# Altium PCB Gebru.PcbDoc (part 3 of 3)
Units mil, origin at the board's own origin, x right, y up, seen from the top; angles counter-clockwise.
Board outline 4231.75 x 4231.75 mil, 6 copper layers (Top Layer, GND, SL1, SL2, PWR, Bottom Layer), stack 58 mil thick; 203 components, 133 nets, 588 pads, 760 vias.
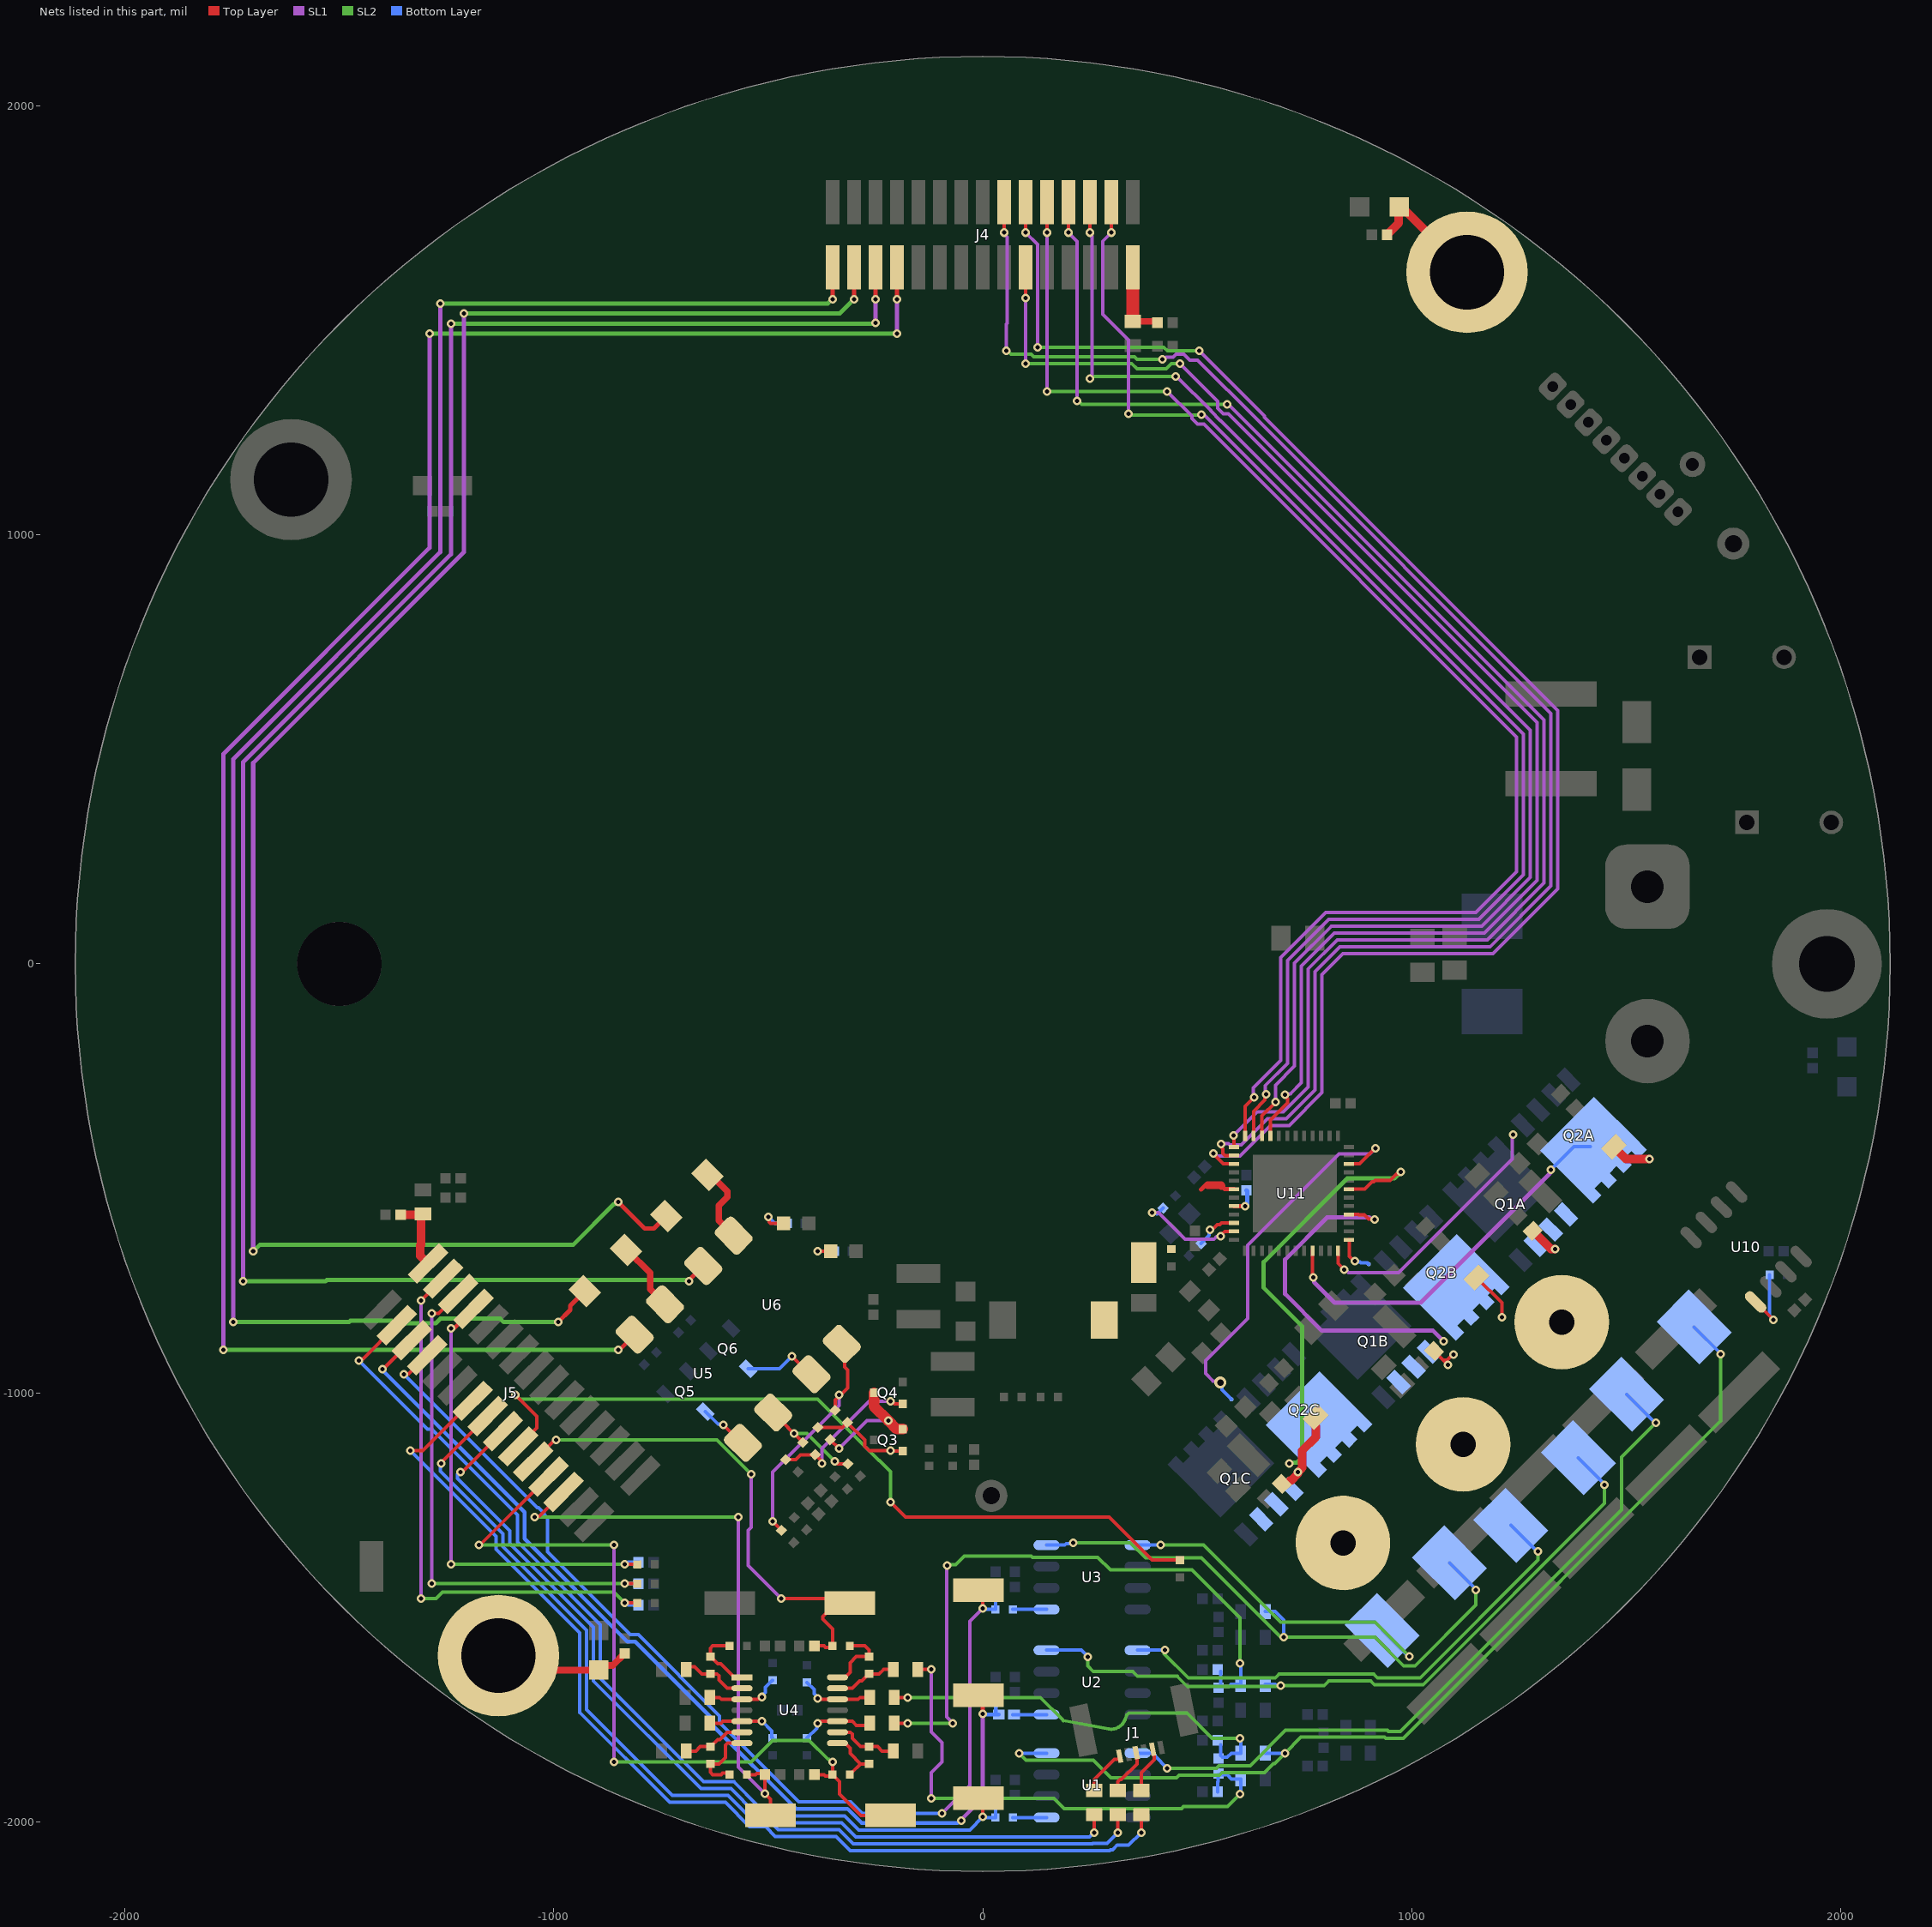
[diagram p7: the nets of this part, all layers, seen from the top]

## Via types
v1: diameter 20, hole 10, Top Layer to Bottom Layer, 617 vias
v2: diameter 20, hole 10, Top Layer to Bottom Layer, tented both sides, 73 vias
v3: diameter 28, hole 15, Top Layer to Bottom Layer, 70 vias

## Nets (pads, with @x,y where several pads share a name; then routed paths per layer and width w, separated by ;. In a path a pad name is that pad's centre, name@x,y a point inside that pad or via, vN(x,y) a via of type N, cw(c..) or ccw(c..) an arc to the next point about the centre after c; other vN are vias at no path point) (continued)
NetC54_1: C54.1 C56.2 R44.2 R45.1 | length 1497.5
  Top Layer w8: R45.1@-206.46,-1770 v1(-175,-1770)
  SL1 w8: v1(-82.5,-1402.44) -84,-1403.94 -84,-1755.72 -70,-1769.72 v1(-70,-1770)
  SL2 w8: v1(-175,-1770) v1(-70,-1770) ; v1(-82.5,-1402.44) -80.2,-1400.14 -62.7,-1400.14 -43,-1380.44 112.84,-1380.44 115.56,-1383.16 268.16,-1383.16 298,-1413 488,-1413 600,-1525 v1(600,-1631)
  Bottom Layer w8: C54.1@553.59,-1685 573.66,-1685 578.66,-1680 R44.2@601.46,-1680 601.46,-1632.46 v1(600,-1631) ; C54.1@555,-1680.04 C56.2@555,-1650
NetC57_1: C57.1 C58.2 R48.2 R49.1 | length 1229.5
  Top Layer w8: R49.1@-151.46,-1645 v1(-120,-1645)
  SL1 w8: v1(-120,-1945) -120,-1885 -95,-1860 -95,-1815 -120,-1790 v1(-120,-1645)
  SL2 w8: v1(-120,-1945) 166.08,-1945 190.08,-1969 463.5,-1969 468.21,-1964.3 570.7,-1964.3 v1(600,-1935)
  Bottom Layer w8: C57.1@547.72,-1930 547.72,-1907.8 548.59,-1906.92 548.59,-1890 570.31,-1890 575,-1894.69 575,-1895.31 579.69,-1900 R48.2@601.46,-1900 601.46,-1933.54 v1(600,-1935)
NetC58_1: C58.1 C60.2 R51.2 R52.1 | length 982.3
  Top Layer w8: R52.1@-206.46,-1710 v1(-175,-1710)
  SL2 w8: v1(-175,-1710) 134.12,-1710 185.78,-1761.66 188.12,-1764 293.85,-1783.44 ccw(c300,-1750) 331.54,-1762.7 336.38,-1750.69 341.06,-1746 476,-1746 535,-1805 v1(600,-1805)
  Bottom Layer w8: C58.1@555,-1845.79 C60.2@555,-1820 ; C58.1@558.59,-1849.84 570.16,-1849.84 580,-1840 R51.2@601.46,-1840 601.46,-1806.46 v1(600,-1805)
NetC61_1: C61.1 MTH5.1 R71.2 | length 324
  Top Layer w15.9: MTH5.1@-1129.13,-1612.6 -1095.47,-1646.26 R71.2@-895,-1646.26 -883.82,-1635.08 -862.36,-1635.08 C61.1@-835,-1607.72
NetC65_1: C65.1 FB5.1 J4.2 | length 184.1
  Top Layer w15: FB5.1@350,1498.15 404.13,1498.15 C65.1@407.28,1495
  Top Layer w30: FB5.1@350,1498.15 J4.2@350,1623.62
NetC67_1: C67.1 FB6.1 J5.2 | length 174.3
  Top Layer w20: C67.1@-1357.28,-585 -1313.15,-585 FB6.1@-1310,-588.15 ; FB6.1@-1305,-583.15 FB6.1@-1310,-588.15 ; J5.2@-1293.48,-698.51 -1311.69,-680.3 -1311.69,-656.69 -1310,-655 FB6.1@-1310,-588.15
NetC73_1: C73.1 MTH7.1 R72.2 | length 297.8
  Top Layer w20: C73.1@942.72,1700 970,1727.28 970,1763.74 R72.2@971.26,1765 976.73,1765 1120.87,1620.87 MTH7.1@1129.13,1612.6
NetD2_2: D2.2 R2.1 | length 98.1
  Top Layer w8: v1(-500,-590) -497.7,-592.3 -497.7,-602.3 -495,-605 D2.2@-464.53,-605
  Bottom Layer w8: v1(-500,-590) -485,-605 R2.1@-455.67,-605
NetD3_2: D3.2 R21.1 | length 69.8
  Top Layer w8: v1(-385,-670) D3.2@-354.53,-670
  Bottom Layer w8: v1(-385,-670) R21.1@-345.67,-670
NetFB2_1: FB2.1 J1.2 | length 109.4
  Top Layer w8: FB2.1@370,-1926.85 370,-1885 400,-1855 400,-1845 396.83,-1841.83 396.49,-1840.17 J1.2@396.49,-1831.25
NetFB2_2: FB2.2 J5.13 | length 2470.3
  Top Layer w8: v1(-1335,-1135) -1305.71,-1135 J5.13@-1189.36,-1018.65 ; v1(370,-2025) FB2.2@370,-1983.15
  Bottom Layer w8: v1(-1335,-1135) -1335,-1135.31 -1330.31,-1140 -1330,-1140 -1135,-1335 -1135,-1365 -940,-1560 -940,-1745 -730.19,-1954.81 -600.19,-1954.81 -543.74,-2011.26 -506.26,-2011.26 -483.5,-2034.02 -341.83,-2034.02 -308.85,-2067 295.63,-2067 297.63,-2065 303.22,-2065 313.41,-2054.81 340.19,-2054.81 v1(370,-2025)
NetFB3_1: FB3.1 J1.4 | length 109
  Top Layer w8: FB3.1@315,-1926.85 315,-1906.38 319.69,-1901.69 323.31,-1901.69 359.55,-1865.45 359.55,-1840.73 J1.4@357.91,-1839.1
NetFB3_2: FB3.2 J5.15 | length 2292.7
  Top Layer w8: v1(-1263,-1165) -1263,-1163 J5.15@-1154.01,-1054.01 ; v1(315,-2025) FB3.2@315,-1983.15
  Bottom Layer w8: v1(-1263,-1165) -1265,-1167 -1265,-1182.37 -1119,-1328.37 -1119,-1358.37 -924,-1553.37 -924,-1738.37 -723.56,-1938.81 -593.56,-1938.81 -537.11,-1995.26 -499.64,-1995.26 -476.87,-2018.02 -335.2,-2018.02 -302.23,-2051 255.94,-2051 256.94,-2050 290,-2050 v1(315,-2025)
NetFB4_1: FB4.1 J1.6 | length 108.9
  Top Layer w8: FB4.1@260,-1926.85 260,-1901.69 306.93,-1854.77 314.4,-1854.77 319.33,-1849.84 J1.6@319.33,-1846.94
NetFB4_2: FB4.2 J5.17 | length 2125.9
  Top Layer w8: v1(-1218,-1185) -1214.75,-1185 -1209.05,-1179.3 -1208.59,-1179.3 J5.17@-1118.65,-1089.36 ; v1(260,-2025) FB4.2@260,-1983.15
  Bottom Layer w8: v1(-1218,-1185) -1220.31,-1185 -1225,-1189.69 -1225,-1199.75 -1103,-1321.75 -1103,-1351.75 -908,-1546.75 -908,-1672 -657.19,-1922.81 -586.94,-1922.81 -530.48,-1979.26 -493.01,-1979.26 -470.25,-2002.02 -328.57,-2002.02 -295.6,-2035 249.31,-2035 259.31,-2025 v1(260,-2025)
NetJ5_19: J5.19 R23.1 | length 1909.4
  Top Layer w8: v1(-1090,-1005) -1040,-1055 -1040,-1081.42 J5.19@-1083.3,-1124.72 ; v1(-215,-1255) -180,-1290 295,-1290 394.82,-1389.82 R23.1@460,-1389.82
  SL2 w8: v1(-1090,-1005) -1089.31,-1005 -1079.31,-1015 -385,-1015 -242,-1158 -240.89,-1158 -215,-1183.89 v1(-215,-1255)
NetQ3_G: Q3.G R58.1 R60.2 | length 238.8
  Top Layer w8: R58.1@-384.27,-1080.73 -383.92,-1080.38 -326.85,-1080.38 R60.2@-315.73,-1069.27 -275.31,-1109.69 -275.31,-1124.81 -265.12,-1135 v1(-215,-1135) -214.41,-1135.59 Q3.G@-186.54,-1135.59
NetQ3_S: Q3.S Q4.D R58.2 | length 291.6
  Top Layer w8: R58.2@-355.73,-1109.27 v1(-335,-1130)
  Top Layer w25: Q4.D@-253.46,-1000 -253.46,-1031.54 v1(-220,-1065) -200.59,-1084.41 Q3.S@-186.54,-1084.41
  SL1 w8: v1(-335,-1130) -270,-1065 v1(-220,-1065)
NetQ4_G: Q4.G R57.1 R62.2 | length 371.9
  Top Layer w8: R57.1@-459.27,-1155.73 -458.92,-1155.38 -435.7,-1155.38 -424.93,-1144.62 -391.08,-1144.62 R62.2@-390.73,-1144.27 -377.05,-1157.95 -377.05,-1162.95 v1(-375,-1165) ; v1(-215,-1020) -211.97,-1020 -206.38,-1025.59 Q4.G@-186.54,-1025.59
  SL1 w8: v1(-375,-1165) -375,-1130 -265,-1020 v1(-215,-1020)
NetQ5_3: Q5.3 U5.3 | length 127.5
  Top Layer w8: v1(-605,-1075) -563.53,-1116.47 U5.3@-559.25,-1116.47 U5.3@-552.29,-1123.43
  Bottom Layer w8: Q5.3@-646.59,-1043.41 -617.3,-1072.7 -607.3,-1072.7 v1(-605,-1075)
NetQ6_3: Q6.3 U6.3 | length 186.1
  Top Layer w8: v1(-445,-915) -403.53,-956.47 U6.3@-399.25,-956.47 U6.3@-406.21,-949.51
  Bottom Layer w8: Q6.3@-546.59,-943.41 -473.41,-943.41 v1(-445,-915)
NetR1_1: R1.1 U5.1 | length 161.6
  Top Layer w15: R1.1@-828.19,-668.19 -775.66,-720.71 -775.66,-758.62 U5.1@-740.75,-793.53
NetR4_2: R4.2 U6.1 | length 192.7
  Top Layer w15: R4.2@-643.19,-483.19 -595.7,-530.67 -595.7,-543.1 -615.66,-563.07 -615.66,-598.62 U6.1@-580.75,-633.53
NetR5_1: R5.1 U2.5 | length 78.5
  Bottom Layer w8: R5.1@70.18,-1750 U2.5@148.7,-1750
NetR9_1: R9.1 U1.5 | length 78.5
  Bottom Layer w8: R9.1@70.18,-1990 U1.5@148.7,-1990
NetR11_1: R11.1 U10.5 | length 167.9
  Top Layer w8: U10.5@1802.13,-788.2 v1(1843.93,-830)
  Bottom Layer w8: R11.1@1834.82,-725 1834.82,-819.31 1843.93,-828.43 v1(1843.93,-830)
NetR25_1: R25.1 U3.5 | length 78.5
  Bottom Layer w8: R25.1@70.18,-1505 U3.5@148.7,-1505
NetR26_1: R26.1 R29.1 U4.7 | length 179.6
  Top Layer w8: R29.1@-590.18,-1890 -593.36,-1886.82 -606.84,-1886.82 -610.02,-1890 -629.53,-1890 -635,-1884.53 R26.1@-635,-1865.18 -615.18,-1865.18 -600,-1850 -600,-1821.46 -595.31,-1816.77 U4.7@-561.22,-1816.77
NetR26_2: R26.2 R28.2 U4.6 | length 148.4
  Top Layer w8: R28.2@-691.46,-1835 -668.66,-1835 -658.48,-1824.82 R26.2@-635,-1824.82 -634.51,-1824.82 -618.09,-1808.4 -613.05,-1808.4 -595.83,-1791.18 U4.6@-561.22,-1791.18
NetR31_2: R31.2 R32.2 U4.5 | length 173.7
  Top Layer w8: R31.2@-636.46,-1770 -610,-1770 -605.59,-1765.59 U4.5@-561.22,-1765.59 -515.59,-1765.59 v1(-515,-1765)
  Bottom Layer w8: v1(-515,-1765) -491.84,-1788.16 -491.84,-1802.98 R32.2@-490,-1804.82
NetR33_1: R33.1 R36.1 U4.1 | length 160.3
  Top Layer w8: R36.1@-590.18,-1590 -629.53,-1590 -635,-1595.47 R33.1@-635,-1614.82 -634.51,-1614.82 -618.09,-1631.24 -610.92,-1631.24 -578.94,-1663.23 U4.1@-561.22,-1663.23
NetR33_2: R33.2 R35.2 U4.2 | length 159.3
  Top Layer w8: R35.2@-691.46,-1645 -685.13,-1638.67 -671.35,-1638.67 -654.84,-1655.18 R33.2@-635,-1655.18 -619.84,-1655.18 -615.16,-1659.86 -615.16,-1669.49 -595.83,-1688.82 U4.2@-561.22,-1688.82
NetR38_1: R38.1 R43.1 U4.8 | length 136.5
  Top Layer w8: U4.8@-338.78,-1816.77 -321.06,-1816.77 -309.12,-1828.71 -309.12,-1840.9 -284.84,-1865.18 ; R43.1@-309.82,-1890 -309.82,-1889.51 -293.4,-1873.09 -292.75,-1873.09 -284.84,-1865.18 ; R38.1@-265,-1865.18 -284.84,-1865.18
NetR38_2: R38.2 R42.2 U4.9 | length 154
  Top Layer w8: U4.9@-338.78,-1791.18 -308.86,-1791.18 -304.17,-1795.87 -304.17,-1805.49 -284.84,-1824.82 R38.2@-265,-1824.82 -245.16,-1824.82 -234.98,-1835 R42.2@-208.54,-1835
NetR39_2: R39.2 R40.2 U4.3 | length 175
  Top Layer w8: R39.2@-636.46,-1710 -613.66,-1710 -609.25,-1714.41 U4.3@-561.22,-1714.41 -523.66,-1714.41 -518.25,-1709 v1(-515,-1709)
  Bottom Layer w8: v1(-515,-1709) -515,-1706.4 -506.91,-1698.31 -506.91,-1686.6 -490.49,-1670.18 R40.2@-490,-1670.18
NetR45_2: R45.2 R46.2 U4.10 | length 174.7
  Top Layer w8: v1(-385,-1770) -381.75,-1770 -377.34,-1765.59 U4.10@-338.78,-1765.59 -304.17,-1765.59 -294.76,-1775 -268.54,-1775 R45.2@-263.54,-1770
  Bottom Layer w8: R46.2@-410,-1804.82 -409.51,-1804.82 -387.3,-1782.61 -387.3,-1772.3 v1(-385,-1770)
NetR47_1: R47.1 R50.1 U4.14 | length 170.6
  Top Layer w8: U4.14@-338.78,-1663.23 -321.06,-1663.23 -309.12,-1651.29 -309.12,-1629.12 -294.82,-1614.82 R47.1@-265,-1614.82 -265,-1600 -275,-1590 R50.1@-309.82,-1590
NetR47_2: R47.2 R49.2 U4.13 | length 148.4
  Top Layer w8: U4.13@-338.78,-1688.82 -304.17,-1688.82 -286.95,-1671.6 -281.91,-1671.6 -265.49,-1655.18 R47.2@-265,-1655.18 -241.52,-1655.18 -231.34,-1645 R49.2@-208.54,-1645
NetR52_2: R52.2 R53.2 U4.12 | length 171.7
  Top Layer w8: v1(-385,-1712) -381.75,-1712 -379.34,-1714.41 U4.12@-338.78,-1714.41 -290.75,-1714.41 -286.34,-1710 R52.2@-263.54,-1710
  Bottom Layer w8: R53.2@-410,-1675.18 -409.51,-1675.18 -393.09,-1691.6 -393.09,-1701.31 -385,-1709.4 v1(-385,-1712)
NetR60_1: R60.1 R63.2 U6.4 | length 561.2
  Top Layer w8: v1(-490,-1300) R63.2@-469.27,-1320.73 ; R60.1@-344.27,-1040.73 -343.92,-1040.38 -343.92,-1017.16 -315,-988.24 -315,-946.77 -321.57,-940.19 -321.57,-892.71 U6.4@-328.53,-885.75
  SL1 w8: v1(-490,-1300) -490,-1185 -335,-1030 v1(-335,-1005)
NetR62_1: R62.1 R64.2 U5.4 | length 254
  Top Layer w8: U5.4@-488.53,-1045.75 -453.62,-1080.66 -453.62,-1081.38 v1(-440,-1095) R62.1@-419.27,-1115.73 ; v1(-345,-1160) -343.92,-1160 -337.84,-1166.08 -314.62,-1166.08 R64.2@-314.27,-1165.73
  SL2 w8: v1(-440,-1095) -410,-1095 v1(-345,-1160)
PHASE_I_ADC_A: C41.1 J5.3 R9.2 TP3.1 | length 2284.3
  Top Layer w8: v1(-1455,-925) -1451.75,-925 -1447.06,-920.31 -1444.58,-920.31 J5.3@-1366.14,-841.88 ; TP3.1@-10,-1945 0,-1955 v1(0,-1988.69)
  Bottom Layer w8: v1(-1455,-925) -1295,-1085 -1285,-1085 -1085,-1285 -1085,-1347.12 -892,-1540.12 -892,-1665.37 -650.56,-1906.81 -580.31,-1906.81 -523.86,-1963.26 -486.38,-1963.26 -463.62,-1986.02 -321.95,-1986.02 -288.97,-2019 -30.31,-2019 v1(0,-1988.69) 1.31,-1990 R9.2@29.82,-1990 30,-1989.82 C41.1@30,-1937.72
PHASE_I_ADC_B: C42.1 J5.5 R5.2 TP4.1 | length 2340.6
  Top Layer w9: v1(-1400,-945) -1398.55,-945 J5.5@-1330.78,-877.23 ; TP4.1@-10,-1705 0,-1715 v1(0,-1748.5)
  SL1 w9: v1(-50,-1997) -50,-1995 0,-1945 v1(0,-1748.5)
  Bottom Layer w9: v1(-1400,-945) -1400,-946.67 -1068.5,-1278.17 -1068.5,-1340.28 -828.78,-1580 -810,-1580 -630,-1760 -630,-1775 -435.48,-1969.52 -315.11,-1969.52 -282.14,-2002.5 -58.48,-2002.5 -52.98,-1997 v1(-50,-1997) ; v1(0,-1748.5) 1.5,-1750 30,-1750 R5.2@37.28,-1750 ; R5.2@30,-1749.82 C42.1@30,-1697.72
PHASE_I_ADC_C: C43.1 J5.7 R25.2 TP5.1 | length 2455
  Top Layer w8: v1(-1350,-956.33) -1349.79,-956.13 -1338.97,-956.13 J5.7@-1295.43,-912.59 ; TP5.1@-10,-1460 0,-1470 v1(0,-1502.55)
  SL1 w8: v1(-95,-1980) -30,-1915 -30,-1532.55 v1(0,-1502.55)
  Bottom Layer w8: v1(-1350,-956.33) -1038.33,-1268 -1035.89,-1268 -1023,-1280.89 -1023,-1283.33 -1015,-1291.33 -1015,-1370.45 -821.95,-1563.5 -803.17,-1563.5 -613.5,-1753.17 -613.5,-1768.17 -428.64,-1953.02 -308.28,-1953.02 -281.3,-1980 v1(-95,-1980) ; v1(0,-1502.55) 2.3,-1504.84 10.32,-1504.84 10.47,-1505 R25.2@29.82,-1505 29.82,-1452.89 C43.1@30,-1452.72
PHASE_V_ADC_A: C59.1 J5.21 R50.2 TP9.1 | length 1249.4
  Top Layer w8: J5.21@-1047.94,-1160.07 -997.87,-1110 v1(-995,-1110) ; v1(-470,-1480) -320,-1480 TP9.1@-310,-1490 -341.5,-1490 -372.81,-1521.32 -372.81,-1527.94 -350.18,-1550.58 R50.2@-350.18,-1590 -353.41,-1593.24 -366.84,-1593.24 -370.08,-1590 C59.1@-392.28,-1590
  SL1 w8: v1(-540,-1190) -540,-1313.89 -547,-1320.89 -547,-1403 v1(-470,-1480)
  SL2 w8: v1(-995,-1110) -620,-1110 v1(-540,-1190)
PHASE_V_ADC_B: C55.1 J5.23 R43.2 TP8.1 | length 1866.2
  Top Layer w8: v1(-1175,-1355) -1172.16,-1355 J5.23@-1012.59,-1195.43 ; C55.1@-392.28,-1890 -370.08,-1890 -366.84,-1893.24 -353.41,-1893.24 R43.2@-350.18,-1890 ; v1(-350,-1860) -350,-1889.82 R43.2@-350.18,-1890 ; TP8.1@-215,-1985 -284.06,-1985 -333.76,-1935.3 -333.76,-1906.91 -350.18,-1890.49 R43.2@-350.18,-1890
  SL1 w8: v1(-860,-1860) v1(-860,-1355)
  SL2 w8: v1(-1175,-1355) v1(-860,-1355) ; v1(-860,-1860) -540,-1860 -490,-1810 -405,-1810 -360.06,-1854.94 -358.3,-1854.94 -353.25,-1860 v1(-350,-1860)
PHASE_V_ADC_C: C47.1 J5.25 R29.2 TP6.1 | length 1382.4
  Top Layer w8: v1(-1045,-1290) -1042.7,-1287.7 -1034.15,-1287.7 J5.25@-977.23,-1230.78 ; R29.2@-549.82,-1890 -529.92,-1890 -527.23,-1887.31 -510.4,-1887.31 C47.1@-507.72,-1890 v1(-507.72,-1934.72) -495,-1947.44 TP6.1@-495,-1985
  SL1 w8: v1(-570,-1290) -570,-1872.44 v1(-507.72,-1934.72)
  SL2 w8: v1(-1045,-1290) v1(-570,-1290)
PHASEA: C1A.1 Q1A.1 Q2A.5 R6.1 R51.1 R54A.2 U1.8 U11.9 | length 3417.1
  Top Layer w8: U11.9@769.21,-668.86 769.21,-729.93 v1(770.48,-731.2)
  Top Layer w20: C1A.1@1282.4,-622.4 1325,-665 v1(1335,-665) ; R54A.2@1471.58,-426.58 1500,-455 v1(1555,-455)
  SL1 w10: v1(770.48,-731.2) 772.4,-733.12 772.4,-741.64 820.76,-790 1020.84,-790 1323.09,-487.76 1323.09,-481.91 v1(1325,-480)
  SL2 w8: v1(85,-1840) 101,-1856 257.58,-1856 298.58,-1897 451.91,-1897 457.91,-1891 551.71,-1891 557.71,-1885 656.92,-1885 677.46,-1864.46 680.54,-1864.46 v1(705,-1840) 742.13,-1802.87 937.16,-1802.87 939.29,-1805 980.71,-1805 1720,-1065.71 v1(1720,-910)
  Bottom Layer w8: v1(85,-1840) 108.19,-1840 U1.8@148.7,-1840 ; R51.1@658.54,-1840 v1(705,-1840) ; v1(1325,-480) 1378.84,-426.16 Q2A.5@1416.16,-426.16 ; R6.1@1658.64,-846.36 1720,-907.71 v1(1720,-910)
PHASEA_OUT: M1.1 R6.2 U1.1 | length 1727.9
  SL2 w8: v1(430,-1875) 545.08,-1875 551.08,-1869 623.68,-1869 705.81,-1786.87 943.79,-1786.87 945.92,-1789 974.08,-1789 1490,-1273.08 1490,-1150 v1(1570,-1070)
  Bottom Layer w8: U1.1@361.3,-1840 397.12,-1840 401.81,-1844.69 401.81,-1846.81 v1(430,-1875) ; R6.2@1501.36,-1003.64 1567.71,-1070 v1(1570,-1070)
PHASEB: C1B.1 Q1B.1 Q2B.5 R7.1 R44.1 R54B.2 U2.8 U11.16 | length 2706.1
  Top Layer w8: U11.16@853.86,-584.21 875.67,-584.21 876.46,-585 890,-585 900,-595 912.8,-595 v1(913.39,-595.59) ; C1B.1@1052.4,-902.6 1073.6,-923.8 ; v1(1085,-935) 1084.8,-935 1073.6,-923.8 ; v1(1097.57,-910.77) 1095.34,-910.77 1082.31,-923.8 1073.6,-923.8 ; R54B.2@1151.58,-731.58 1210.2,-790.2 v1(1210.2,-824)
  SL1 w8: 902.57,-592.9 902.97,-593.3 911.09,-593.3 v1(913.39,-595.59)
  SL1 w10: 902.57,-592.9 900.62,-590.95 803.15,-590.95 705,-689.1 705,-769.5 790.5,-855 1050,-855 v1(1075,-880)
  SL2 w8: v1(245,-1616) 245,-1636.92 258.08,-1650 350,-1650 361,-1661 453.37,-1661 477.37,-1685 693,-1685 v1(695,-1683) ; v1@696,-1684 697,-1683 795.57,-1683 806.57,-1672 905.01,-1672 914.01,-1681 1026.63,-1681 1450,-1257.63 v1(1450,-1215)
  Bottom Layer w8: U2.8@148.7,-1600 230,-1600 245,-1615 v1(245,-1616) ; R44.1@658.54,-1680 681.34,-1680 684.04,-1682.7 694.7,-1682.7 v1(695,-1683) ; R7.1@1388.64,-1151.36 1450,-1212.71 v1(1450,-1215)
PHASEB_OUT: M2.1 R7.2 U2.1 | length 1198.3
  SL2 w8: v1(425,-1600) 423.31,-1601.69 423.31,-1608.31 480,-1665 681.89,-1665 690.89,-1656 911.64,-1656 920.64,-1665 1020,-1665 1295,-1390 v1(1295,-1370)
  Bottom Layer w8: U2.1@361.3,-1600 401.81,-1600 v1(425,-1600) ; R7.2@1231.36,-1308.64 1292.71,-1370 v1(1295,-1370)
PHASEC: C1C.1 Q1C.1 Q2C.5 R8.1 R30.1 R54C.2 U3.8 U11.19 | length 2671.6
  Top Layer w8: U11.19@853.86,-525.16 890.8,-525.16 907.96,-508 912,-508 915,-505 950,-505 964.94,-490.06 966.7,-490.06 971.75,-485 v1(975,-485)
  Top Layer w20: C1C.1@697.4,-1212.6 698.79,-1213.99 706.92,-1213.99 715.91,-1205 718.61,-1205 735,-1188.61 v1(735,-1185) 745,-1175 745,-1134.81 776.67,-1103.14 776.67,-1077.32 772.4,-1073.06 772.4,-1060.75 R54C.2@776.58,-1056.58
  SL2 w8: v1(210.7,-1349.16) 344.05,-1349.16 379.9,-1385 510,-1385 692.7,-1567.7 699.04,-1567.7 v1(701.34,-1570) 915,-1570 982,-1637 1008,-1637 1150,-1495 v1(1150,-1460)
  SL2 w10: v1(715,-1165) 716.91,-1163.09 731.91,-1163.09 745,-1150 745,-845 655,-755 655,-695 850,-500 960,-500 v1(975,-485)
  Bottom Layer w8: U3.8@148.7,-1355 189.21,-1355 191.21,-1355 194.76,-1351.45 208.41,-1351.45 v1(210.7,-1349.16) ; R30.1@658.54,-1510 681.34,-1510 701.34,-1530 v1(701.34,-1570) ; R8.1@1088.64,-1396.36 1150,-1457.71 v1(1150,-1460)
PHASEC_OUT: M3.1 R8.2 U3.1 | length 830.5
  SL2 w8: v1(415,-1355) 515,-1355 695,-1535 915,-1535 v1(995,-1615)
  Bottom Layer w8: U3.1@361.3,-1355 v1(415,-1355) ; R8.2@931.36,-1553.64 992.71,-1615 v1(995,-1615)
PWM_EN: J4.12 U11.33 | length 3220.3
  Top Layer w8: v1(100,1553) J4.12@100,1623.62 ; U11.33@670.79,-401.14 670.79,-364.21 685,-350 711,-324 711,-314.25 705,-308.25 v1(705,-305)
  SL1 w8: v1(100,1400) v1(100,1553) ; v1(460,1400) 548,1312 548,1295.89 560.89,1283 572.56,1283 1293,562.56 1293,195.12 1169.88,72 819.88,72 743,-4.88 743,-277 717.3,-302.7 707.3,-302.7 v1(705,-305)
  SL2 w8: v1(100,1400) 347.38,1400 359.58,1387.8 428.2,1387.8 440,1399.6 459.6,1399.6 v1(460,1400)
PWM_HA: J4.5 U11.34 | length 3197.4
  Top Layer w8: v1(250,1705) J4.5@250,1776.38 ; U11.34@651.1,-401.14 651.1,-353.9 682.38,-322.62 v1(682.38,-321.51)
  SL1 w8: v1(250,1365) 250,1368.25 255,1373.25 255,1696.75 250,1701.75 v1(250,1705) ; v1(450,1370) 452.23,1370 531.8,1290.43 531.8,1289.46 554.26,1267 555.23,1267 1277,545.23 1277,201.75 1163.25,88 813.25,88 727,1.75 727,-238.25 682.38,-282.87 v1(682.38,-321.51)
  SL2 w8: v1(250,1365) 253.25,1365 258.25,1370 v1(450,1370)
PWM_HB: J4.9 U11.36 | length 3273.4
  Top Layer w8: v1(150,1705) J4.9@150,1776.38 ; U11.36@611.73,-401.14 611.73,-350 611.73,-332.16 v1(633.16,-310.73)
  SL1 w8: v1(150,1335) 150,1605 v1(150,1705) ; v1(430,1335) 487.8,1277.2 487.8,1271.23 500.69,1258.34 515.78,1258.34 1245,529.13 1245,215 1150,120 800,120 695,15 695,-225 630.61,-289.39 630.61,-298.89 630.86,-299.14 630.86,-308.43 v1(633.16,-310.73)
  SL2 w8: v1(150,1335) v1(430,1335)
PWM_HC: J4.13 U11.38 | length 3617.1
  Top Layer w8: v1(50,1705) J4.13@50,1776.38 ; v1(555.8,-420.21) 558.1,-422.51 558.1,-429 560,-430.9 560,-441.73 564.69,-446.42 U11.38@586.14,-446.42
  SL1 w8: v1(50,1705) 50,1701.75 57,1694.75 57,1493.33 55,1491.33 v1(55,1430) ; v1(419.09,1409.8) 422.33,1409.8 427.54,1415 443.89,1415 450.89,1422 469.11,1422 483.11,1408 501.3,1408 641,1268.3 641,1268.24 1325,584.24 1325,181.86 1183.14,40 833.14,40 775,-18.14 775,-293.74 707.74,-361 664,-361 603,-422 575.89,-422 572.51,-418.62 557.39,-418.62 v1(555.8,-420.21)
  SL2 w8: v1(55,1430) 57.69,1430 65.69,1422 112.6,1422 118.6,1416 354,1416 360.21,1409.8 v1(419.09,1409.8)
PWM_LA: J4.3 U11.35 | length 3161.7
  Top Layer w8: v1(300,1705) J4.3@300,1776.38 ; U11.35@631.42,-401.14 631.42,-343.58 658.09,-316.91 658.09,-306.48 v1(660.38,-304.18)
  SL1 w8: v1(300,1705) 280,1685 280,1515 340,1455 v1(340,1283) ; v1(509.8,1280.34) 512.1,1278.05 518.71,1278.05 1261,535.75 1261,208.37 1156.63,104 806.63,104 711,8.37 711,-231.63 658.31,-284.31 658.31,-290.94 658.41,-291.04 658.41,-302.22 v1(660.38,-304.18)
  SL2 w8: v1(340,1283) 343.25,1283 346.25,1280 509.46,1280 v1(509.8,1280.34)
PWM_LB: J4.7 U11.37 | length 3405.9
  Top Layer w8: v1(200,1705) J4.7@200,1776.38 ; v1(585,-400) 586.14,-401.14 U11.37@586.14,-426.73
  SL1 w8: v1(200,1705) 200,1704.31 220,1684.31 v1(220,1313) ; v1(570,1305) 573.18,1305 1309,569.18 1309,188.49 1176.51,56 826.51,56 759,-11.51 759,-287.11 701.11,-345 640,-345 v1(585,-400)
  SL2 w8: v1(220,1313) 222.69,1313 230.69,1305 v1(570,1305)
PWM_LC: J4.11 U11.39 | length 3615.9
  Top Layer w8: v1(100,1705) J4.11@100,1776.38 ; v1(537.93,-442.09) 537.93,-442.93 561.1,-466.1 U11.39@586.14,-466.1
  SL1 w8: v1(100,1705) 127.71,1677.29 v1(127.71,1438) ; v1(505,1430) 657,1278 657,1274.86 1341,590.86 1341,175.24 1189.76,24 839.76,24 791,-24.76 791,-300.37 714.37,-377 670.63,-377 599.48,-448.15 547.23,-448.15 541.17,-442.09 v1(537.93,-442.09)
  SL2 w8: v1(127.71,1438) 421.99,1438 430.6,1429.39 487.53,1429.39 488.15,1430 v1(505,1430)
RCL: R19.2 U11.46 | length 103.5
  Top Layer w8: v1(530,-620) 535,-620 546.93,-608.07 552.46,-608.07 556.63,-603.9 U11.46@586.14,-603.9
  Bottom Layer w8: R19.2@509.27,-652.09 528.12,-633.24 528.12,-621.88 v1(530,-620)
RTSD: R18.2 U11.47 | length 258.8
  Top Layer w8: v1(555,-635) 555.31,-635 560,-630.31 560,-628.27 564.69,-623.58 U11.47@586.14,-623.58
  SL1 w8: v1(395,-580) 395.06,-580.06 410.06,-580.06 472,-642 480,-642 539.11,-642 543.82,-637.3 552.7,-637.3 v1(555,-635)
  Bottom Layer w8: v1(395,-580) 397.3,-582.3 405.03,-582.3 405.69,-582.95 407.05,-582.95 R18.2@420.73,-569.27 R18.2@420.38,-568.92
SNA: NT1A.1 U11.12 | length 612.2
  Top Layer w8: U11.12@828.27,-668.86 828.27,-698.27 v1(842.58,-712.58)
  SL1 w8: v1(842.58,-712.58) 845.82,-712.58 853.25,-720 970,-720 1235,-455 1235,-400 v1(1236.63,-398.37)
SNB: NT1B.1 U11.13 | length 91.7
  Top Layer w8: U11.13@853.86,-643.27 854.28,-643.27 855,-643.99 855,-681.62 865.69,-692.31 v1(867.53,-692.31)
  Bottom Layer w8: v1(867.53,-692.31) 869.83,-694.61 879.61,-694.61 881.87,-696.87 896.87,-696.87 NT1B.1@900,-700
SNC: NT1C.1 U11.22 | length 900.9
  Top Layer w8: U11.22@853.86,-466.1 878.9,-466.1 900,-445 900,-444.71 914.71,-430 v1(916,-430)
  SL1 w8: v3(553.94,-976.06) 550.11,-972.23 537.23,-972.23 520,-955 520,-925 618,-827 618,-655.89 830.89,-443 903,-443 v1(916,-430)
  Bottom Layer w8: v3(553.94,-976.06) 557.77,-979.89 557.77,-992.77 NT1C.1@580,-1015
STO1: J4.30 R1.2 | length 4439.6
  Top Layer w9: J4.30@-350,1623.62 J4.30@-345.18,1618.8
  Top Layer w10: v1(-990,-835) -961.81,-806.81 -961.81,-796.81 R1.2@-928.02,-763.02 ; v1(-350,1550) J4.30@-350,1623.62
  SL1 w10: v1(-1747,-835) -1747,478 -1265,960 v1(-1265,1540)
  SL2 w10: v1(-1747,-835) -1477.43,-835 -1474.43,-832 -1377.95,-832 -1371.95,-838 -1275.47,-838 -1264.47,-827 -1125.12,-827 -1117.12,-835 v1(-990,-835) ; v1(-1265,1540) -360.86,1540 v1@-350.86,1550
STO2: J4.28 R4.1 | length 4435.8
  Top Layer w10: v1(-850,-555) -788.19,-616.81 -776.81,-616.81 -766.81,-616.81 R4.1@-738.02,-588.02 ; v1(-300,1550) J4.28@-300,1623.62
  SL1 w10: v1(-1701,-670) -1701,468.54 -1210,959.54 v1(-1210,1517)
  SL2 w10: v1(-1701,-670) -1686,-655 -955,-655 -860,-560 -857.71,-560 -852.71,-555 v1(-850,-555) ; v1(-1210,1517) -333,1517 v1(-300,1550)
STO_RET1: J4.24 U5.2 | length 4785.8
  Top Layer w10: v1(-850,-900) -848.09,-898.09 -845.31,-898.09 U5.2@-811.47,-864.25 ; v1(-200,1550) J4.24@-200,1623.62
  SL1 w10: v1(-1770,-900) -1770,490 -1290,970 v1(-1290,1470) ; v1(-200,1470) v1(-200,1550)
  SL2 w10: v1(-1770,-900) v1(-850,-900) ; v1(-1290,1470) v1(-200,1470)
STO_RET2: J4.26 U6.2 | length 4646.1
  Top Layer w10: v1(-685,-740) -685,-737.78 U6.2@-651.47,-704.25 ; v1(-250,1550) J4.26@-250,1623.62
  SL1 w10: v1(-1724,-740) -1724,471 -1240,955 v1(-1240,1493) v1@-1238,1493 ; v1(-250,1495) v1(-250,1550)
  SL2 w10: v1(-1724,-740) -1532.38,-740 -1529.38,-737 -690.71,-737 -687.71,-740 v1(-685,-740) ; v1(-1240,1493) -252,1493 v1(-250,1495)
SW: D10.K L10.1 R16.2 U11.42 | length 84.6
  Top Layer w10: 509.14,-525.86 518.72,-516.28 525,-516.28 ; 557.12,-517.95 564.33,-525.16 U11.42@586.14,-525.16
  Top Layer w18: 525,-516.28 555.45,-516.28 557.12,-517.95
VCC: C37.1 U11.44 | length 67.1
  Top Layer w10: U11.44@586.14,-564.53 611.39,-564.53 v2(611.47,-564.6)
  Bottom Layer w10: v2(611.47,-564.6) 613.17,-562.9 616.64,-562.9 616.64,-529.36 C37.1@615,-527.72
VDS_A_ADC: C27.1 J5.8 R15.1 | length 1090.6
  Top Layer w8: v1(-835,-1400) R15.1@-805.18,-1400
  Top Layer w10: v1(-1240,-850) -1238.09,-848.09 -1230.93,-848.09 J5.8@-1187.41,-804.57
  SL1 w8: v1(-1240,-1400) v1(-1240,-850)
  SL2 w8: v1(-1240,-1400) v1(-835,-1400)
  Bottom Layer w8: v1(-835,-1400) -831.75,-1400 -826.75,-1395 C27.1@-802.72,-1395
VDS_B_ADC: C28.1 J5.6 R14.1 | length 1223.3
  Top Layer w8: v1(-1285,-815) -1268.55,-815 J5.6@-1222.77,-769.22 ; v1(-835,-1445) R14.1@-805.18,-1445
  SL1 w8: v1(-1285,-1445) v1(-1285,-815)
  SL2 w8: v1(-1285,-1445) v1(-835,-1445)
  Bottom Layer w8: v1(-835,-1445) C28.1@-802.72,-1445
VDS_C_ADC: C29.1 J5.4 R13.1 | length 1323.8
  Top Layer w8: v1(-1310,-785) -1309.26,-785 J5.4@-1258.12,-733.86 ; v1(-835,-1490) R13.1@-805.18,-1490
  SL1 w8: v1(-1310,-1480) v1(-1310,-785)
  SL2 w8: v1(-1310,-1480) -1275,-1480 -1260,-1465 -860,-1465 v1(-835,-1490)
  Bottom Layer w8: v1(-835,-1490) -831.75,-1490 -826.75,-1495 C29.1@-802.72,-1495
pads on no net: J5.14 J5.16 J5.18 J5.20 J5.22 J5.24 J5.26 J5.28 J5.29 J5.30 M8.1 U1.4 U2.4 U3.4 U10.4

## Polygon pours and split planes (outlines as drawn)
GND on Bottom Layer "TC1" (solid, pour order 24): -2015,-755 -1480,-755 -1480,-595 -1330,-445 -1215,-445 -1180,-480 -1180,-655.74 -1283.69,-759.43 -663.12,-1380 390,-1380 455,-1445 455,-1950 465,-1960 590,-1960 605,-1975 605,-2060 650,-2105 2205,-2105 2205,2270 1980,2495 -2415,2495 -2580,2330 -2578.15,2328.15 -2578.15,-755.89
MPWR on Bottom Layer "TC1" (solid, pour order 6): 1355,-10 1405,40 1520,40 1605,125 1605,735 1650,780 1740,780 1850,670 1850,125 1560,-165 1335,-165 1335,-515 560,-1290 555,-1290 385,-1120 385,-845 665.82,-564.18 665.82,-344.18 670,-340 1000,-10
AGND on Bottom Layer "TC1" (solid, pour order 25): -2140,-257.07 650,-257.07 650,-2140 -2140,-2140
PHASEA on Bottom Layer "TC1" (solid, pour order 4): 1235,-625 1487.5,-372.5 1580,-465 1580,-680 1755,-855 1635,-975 1345,-685 1295,-685
PHASEB on Bottom Layer "TC1" (solid, pour order 0): 1170,-685 1250,-765 1250,-890 1500,-1140 1360,-1280 1135,-1055 1000,-1055 900,-955
PHASEC on Bottom Layer "TC1" (solid, pour order 1): 1045.13,-1195.13 1045.13,-1208.49 1110,-1273.35 1110,-1305 1195,-1390 1062.5,-1522.5 865,-1325 650,-1325 590,-1265 852.5,-1002.5
GND on Bottom Layer "TC1" (solid, pour order 7): 630,-1050 522.5,-942.5 627.5,-837.5 738.75,-948.75
MPWR_IN on Bottom Layer "TC1" (solid, pour order 22): 1105,50 1555,50 1635,130 1635,300 1105,300
GND on Bottom Layer "TC1" (solid, pour order 11): 1047.15,-522.15 1084.29,-485 1085,-485 1025,-425 1002.5,-447.5 1002.5,-477.5 943.75,-536.25 943.75,-593.75 895,-642.5 895,-675 950,-730 1107.95,-582.95
GND on Bottom Layer "TC1" (solid, pour order 10): 1270,-410 1162.5,-302.5 1267.5,-197.5 1378.75,-308.75
PHASEA_OUT on Bottom Layer "TC1" (solid, pour order 5): 1500,-1105 1510,-1105 1635,-980 1415,-760 1280,-760 1280,-885
PHASEC_OUT on Bottom Layer "TC1" (solid, pour order 3): 750,-1451.83 750,-1355 890,-1355 1060,-1525 940,-1645
PHASEB_OUT on Bottom Layer "TC1" (solid, remove dead copper, pour order 2): 1237.5,-1402.5 1355,-1285 1160,-1090 1020,-1090 1020,-1185
GND on Top Layer "TC1" (solid, pour order 21): -2015,-755 -1480,-755 -1480,-595 -1330,-445 -1215,-445 -1180,-480 -1180,-655.74 -1283.69,-759.43 -663.12,-1380 390,-1380 455,-1445 455,-1950 465,-1960 590,-1960 605,-1975 605,-2060 650,-2105 2180,-2105 2180,2295 1980,2495 -2415,2495 -2580,2330 -2578.15,2328.15 -2578.15,-755.89
AGND on Top Layer "TC1" (solid, pour order 23): -2140,-257.07 650,-257.07 650,-2140 -2140,-2140
MPWR on Top Layer "TC1" (solid, pour order 15): 770.39,-1630 885,-1630 1720,-795 1195,-269.84 1195,-265 395,-1065 395,-1264.07
GND on Top Layer "TC1" (solid, pour order 12): 553.06,-1003.06 553.06,-968.06 525,-945 630,-840 815,-1025 815,-1160 775,-1200 700,-1125 700,-1100 665,-1065 615,-1065
GND on Top Layer "TC1" (solid, pour order 13): 1175,-855 1175,-775 1070,-670 1070,-450 1025,-405 1000,-430 1000,-490 965,-525 965,-585 900,-650 985,-735 985,-740 1025,-740 1050,-765 1050,-820 1130,-900
GND on Top Layer "TC1" (solid, pour order 14): 1447.41,-382.41 1450,-385 1525,-460 1525,-564.68 1487.34,-602.34 1360,-475 1360,-395 1355,-395 1310,-350 1300,-360 1225,-360 1162.5,-297.5 1270,-190 1345,-190 1447.41,-292.41
MPWR_IN on Top Layer "TC1" (solid, pour order 17): 1180,155 1245,220 1245,345 1205,385 1205,460 1565,460 1650,375 1650,115 1575,40 830,40 675,-115 675,-215 360,-530 320,-490 320,-488.86 410,-398.86 410,-190 755,155
24V0 on Top Layer "TC1" (solid, pour order 20): -120,-950 -120,-855 -125,-850 -270,-850 -270,-800 -50,-800 -10,-840 -10,-950
24V0_RIPPLE on Top Layer "TC1" (solid, pour order 19): -10,-820 15,-845 15,-847.5 15,-875 80,-875 80,-785 30,-735 -65,-735 -65,-790 -35,-820
SW on Top Layer "TC1" (solid, pour order 16): 325,-880 325,-805 405,-805 405,-685 460,-685 460,-595 520,-535 600,-535 600,-505 505,-505 245,-765 245,-880
GND on PWR (split plane): 162 vertices, not listed, extent -2095.78,-2005.4 2095.78,2095.78
3V3A on PWR (split plane): -1185.1,-482.11 -1185.1,-647.89 -1288.6,-751.4 -1289.71,-753.05 -1290.1,-755 -1289.71,-756.95 -1288.6,-758.6 -643.6,-1403.6 -641.95,-1404.71 -640,-1405.1 -105,-1405.1 -103.05,-1404.71 -101.4,-1403.6 -82.89,-1385.1 387.89,-1385.1 449.9,-1447.11 449.9,-1950 450.29,-1951.95 451.4,-1953.6 461.4,-1963.6 463.05,-1964.71 465,-1965.1 587.89,-1965.1 599.9,-1977.11 599.9,-2008.35 529.27,-2028.27 449.23,-2047.48 368.5,-2063.54 287.2,-2076.42 205.46,-2086.09 123.4,-2092.55 41.16,-2095.78 0,-2095.78 -41.16,-2095.78 -123.41,-2092.55 -205.46,-2086.09 -287.2,-2076.42 -368.5,-2063.54 -449.23,-2047.48 -529.27,-2028.27 -608.49,-2005.92 -686.77,-1980.49 -764,-1952 -840.04,-1920.5 -914.79,-1886.04 -988.13,-1848.67 -1059.95,-1808.45 -1130.13,-1765.44 -1198.57,-1719.71 -1265.17,-1671.33 -1329.81,-1620.37 -1392.39,-1566.92 -1452.84,-1511.04 -1511.04,-1452.84 -1566.92,-1392.4 -1620.37,-1329.81 -1671.33,-1265.16 -1719.71,-1198.57 -1765.44,-1130.13 -1808.45,-1059.95 -1848.67,-988.14 -1886.04,-914.79 -1920.5,-840.04 -1952,-764 -1953.44,-760.1 -1480,-760.1 -1478.05,-759.71 -1476.4,-758.6 -1475.29,-756.95 -1474.9,-755 -1474.9,-597.11 -1327.89,-450.1 -1217.11,-450.1
GND on GND (split plane): 162 vertices, not listed, extent -2095.78,-2005.4 2095.78,2095.78
AGND on GND (split plane): -1185.1,-482.11 -1185.1,-647.89 -1288.6,-751.4 -1289.71,-753.05 -1290.1,-755 -1289.71,-756.95 -1288.6,-758.6 -643.6,-1403.6 -641.95,-1404.71 -640,-1405.1 -105,-1405.1 -103.05,-1404.71 -101.4,-1403.6 -82.89,-1385.1 387.89,-1385.1 449.9,-1447.11 449.9,-1950 450.29,-1951.95 451.4,-1953.6 461.4,-1963.6 463.05,-1964.71 465,-1965.1 587.89,-1965.1 599.9,-1977.11 599.9,-2008.35 529.27,-2028.27 449.23,-2047.48 368.5,-2063.54 287.2,-2076.42 205.46,-2086.09 123.4,-2092.55 41.16,-2095.78 0,-2095.78 -41.16,-2095.78 -123.41,-2092.55 -205.46,-2086.09 -287.2,-2076.42 -368.5,-2063.54 -449.23,-2047.48 -529.27,-2028.27 -608.49,-2005.92 -686.77,-1980.49 -764,-1952 -840.04,-1920.5 -914.79,-1886.04 -988.13,-1848.67 -1059.95,-1808.45 -1130.13,-1765.44 -1198.57,-1719.71 -1265.17,-1671.33 -1329.81,-1620.37 -1392.39,-1566.92 -1452.84,-1511.04 -1511.04,-1452.84 -1566.92,-1392.4 -1620.37,-1329.81 -1671.33,-1265.16 -1719.71,-1198.57 -1765.44,-1130.13 -1808.45,-1059.95 -1848.67,-988.14 -1886.04,-914.79 -1920.5,-840.04 -1952,-764 -1953.44,-760.1 -1480,-760.1 -1478.05,-759.71 -1476.4,-758.6 -1475.29,-756.95 -1474.9,-755 -1474.9,-597.11 -1327.89,-450.1 -1217.11,-450.1

## Other copper
GND (plane layer: these items are gaps in the copper):
  lines w10: -1970,-755 -1480,-755 -1480,-595 -1330,-445 -1215,-445 -1180,-480 -1180,-650 -1285,-755 -640,-1400 -105,-1400 -85,-1380 390,-1380 455,-1445 455,-1950 465,-1960 590,-1960 605,-1975 605,-2035
PWR (plane layer: these items are gaps in the copper):
  lines w10: -1980,-755 -1480,-755 -1480,-595 -1330,-445 -1215,-445 -1180,-480 -1180,-650 -1285,-755 -640,-1400 -105,-1400 -85,-1380 390,-1380 455,-1445 455,-1950 465,-1960 510,-1960 590,-1960 605,-1975 605,-2025

## Silkscreen, mask and mechanical layers (free items; w line width, h text height)
Top Overlay:
  region: -1615,565 -2000,565 -2000,-535 -1615,-535
  lines w10: 680,-1215 840,-1055 840,-1035 810,-1005 ; 765,-1475 765,-1225 ; 791.97,-1171.97 905.09,-1058.85 ; 825,-1070 857.5,-1102.5 ; 915,-1475 915,-1225 ; 935,-1010 965,-1040 975,-1040 1245,-770 1245,-760 1205,-720 ; 980,-1085 1170,-1275 ; 1080,-970 1270,-1160 ; 1215,-805 1405,-995 ; 1245,-655 1270,-680 1280,-680 1535,-425 1535,-415 1510,-390 ; 1320,-700 1510,-890 ; 1380,-685 1525,-540 ; 1400,-560 1452.5,-612.5 ; 1440,1415 1425,1400 1425,1395 1425,1380 1615,1190 1615,1175
  text "GEBRU GND" at 1441.21,1385.86 h30 r315
  text "YELLW MOSI" at 1054.49,1045.47 h60 r45
  text "GREEN MISO" at 1099.51,1000.49 h60 r45
  text "BLUE CS" at 1144.51,965.49 h60 r45
  text "RED CLK" at 1189.53,920.47 h60 r45
  text "GND" at 1704.34,915 h60 r90
  text "GRAY T-" at 1229.53,875.47 h60 r45
  text "PINK T+" at 1275,840 h60 r45
  text "Timnit Gebru" at -1860,810 h100
  text "WHITE GND" at 1309.53,795.47 h60 r45
  text "BROWN 5V" at 1354.53,760.47 h60 r45
  text "v5" at -1820,655 h100
  text "17-JULY-23" at -1535,655 h40
  text "'.GPN_PCB' Rev'.GPN_PCB_REV'" at -1895,590 h40
  text "MPWR" at 1246.73,155.01 h50
  text "GND" at 1296.71,-204.99 h50
  text "A" at 1355,-1040 h100 r45
  text "B" at 1105,-1310 h100 r45
  text "AGND" at -55,-1324.34 h60
  text "VBUS" at -565,-1449.31 h60
  text "IBUS" at -1340.69,-1470 h60 r90
  text "IC" at 70,-1479.34 h60
  text "VA" at -235,-1505 h60
  text "C" at 829.22,-1539.22 h100 r45
  text "IB" at 70,-1720 h60
  text "IA" at 70,-1960 h60
  text "VC" at -416.15,-2002.51 h60
  text "VB" at -145,-2045 h60
Bottom Overlay:
  lines w10: -841.33,-510.81 ccw(c0,0) 972.81,149.66
(M3) Board Outline:
  circle w10: c0,0 r2115.88
  lines w10: 1843.47,1038.53 ccw(c1843.7,1038.66) 1843.47,1038.53 ; 1187.43,282.06 ccw(c0,0) -1090.93,-547.2 ccw(c-1044.22,-562.7) -996.69,-575.44 -545.53,-314.96 ccw(c0,0) 620.35,109.38 1133.39,199.85 ccw(c1161.62,240.16) 1187.43,282.06 ; 1187.43,282.06 1187.43,282.06 ; 1843.47,1038.53 ccw(c1843.7,1038.66) 1843.48,1038.52 ; 1843.47,1038.53 1843.48,1038.52 ; 70.43,-1169.93 cw(c128.36,-1158.49) 116.93,-1100.55 310.05,-1062.43 cw(c321.49,-1120.37) 379.42,-1108.93 388.35,-1154.13 cw(c330.41,-1165.57) 341.85,-1223.51 148.72,-1261.63 cw(c137.29,-1203.69) 79.35,-1215.13 70.43,-1169.93

## Text inside footprints (layer, text, board x,y; h text height)
C10: Top Overlay "+" at 1695,665 h59.06 r180
C11: Top Overlay "+" at 1805,430 h59.06 r180
J1: Top Overlay "1" at 420.49,-1850.47 h15.75 r191.5; (M1) Top Assembly "1" at 420.49,-1850.47 h15.75 r191.5
J4: Top Overlay "1" at 359.33,1910.63 h49.21 r180; (M1) Top Assembly "30" at -337.17,1536.46 h49.21 r180; (M1) Top Assembly "29" at -337.87,1912.24 h49.21 r180; (M1) Top Assembly "1" at 359.33,1910.63 h49.21 r180; (M1) Top Assembly "2" at 367.13,1537.64 h49.21 r180
J5: Top Overlay "1" at -1503.02,-894.85 h49.21 r315; (M1) Top Assembly "1" at -1503.02,-894.85 h49.21 r315
L10: Top Overlay "1" at 345,-830 h31.5 r180; (M1) Top Assembly "1" at 345,-830 h31.5 r180
Q3: Top Overlay "G" at -148.35,-1146.22 h31.5 r90; Top Overlay "S" at -147.95,-1092.28 h31.5 r90; Top Overlay "D" at -275.12,-1118.66 h31.5 r90; (M1) Top Assembly "G" at -148.35,-1146.22 h31.5 r90; (M1) Top Assembly "S" at -147.95,-1092.28 h31.5 r90; (M1) Top Assembly "D" at -275.12,-1118.66 h31.5 r90
Q4: Top Overlay "G" at -148.35,-1036.22 h31.5 r90; Top Overlay "S" at -147.95,-982.28 h31.5 r90; Top Overlay "D" at -275.12,-1008.66 h31.5 r90; (M1) Top Assembly "G" at -148.35,-1036.22 h31.5 r90; (M1) Top Assembly "S" at -147.95,-982.28 h31.5 r90; (M1) Top Assembly "D" at -275.12,-1008.66 h31.5 r90
U11: Top Overlay "1" at 620,-696.42 h31.5 r90; Top Overlay "12" at 840,-725 h31.5 r90; Top Overlay "13" at 900,-665 h31.5 r90; Top Overlay "24" at 900,-435 h31.5 r90; Top Overlay "25" at 840,-375 h31.5 r90; Top Overlay "36" at 620,-375 h31.5 r90; Top Overlay "37" at 560,-435 h31.5 r90; Top Overlay "48" at 560,-665 h31.5 r90; (M1) Top Assembly "1" at 620,-696.42 h31.5 r90; (M1) Top Assembly "48" at 560,-665 h31.5 r90; (M1) Top Assembly "37" at 560,-435 h31.5 r90; (M1) Top Assembly "36" at 620,-375 h31.5 r90; (M1) Top Assembly "25" at 840,-375 h31.5 r90; (M1) Top Assembly "24" at 900,-435 h31.5 r90; (M1) Top Assembly "13" at 900,-665 h31.5 r90; (M1) Top Assembly "12" at 840,-725 h31.5 r90